# Altium PCB Allwinner_A13_BRD.PcbDoc (part 4 of 5)
Units mil, origin at the board's own origin, x right, y up, seen from the top; angles counter-clockwise.
Board outline 3937 x 2895 mil, 4 copper layers (Top Layer, power, gnd, Bottom Layer), stack 68.553 mil thick; 348 components, 338 nets, 1570 pads, 834 vias.
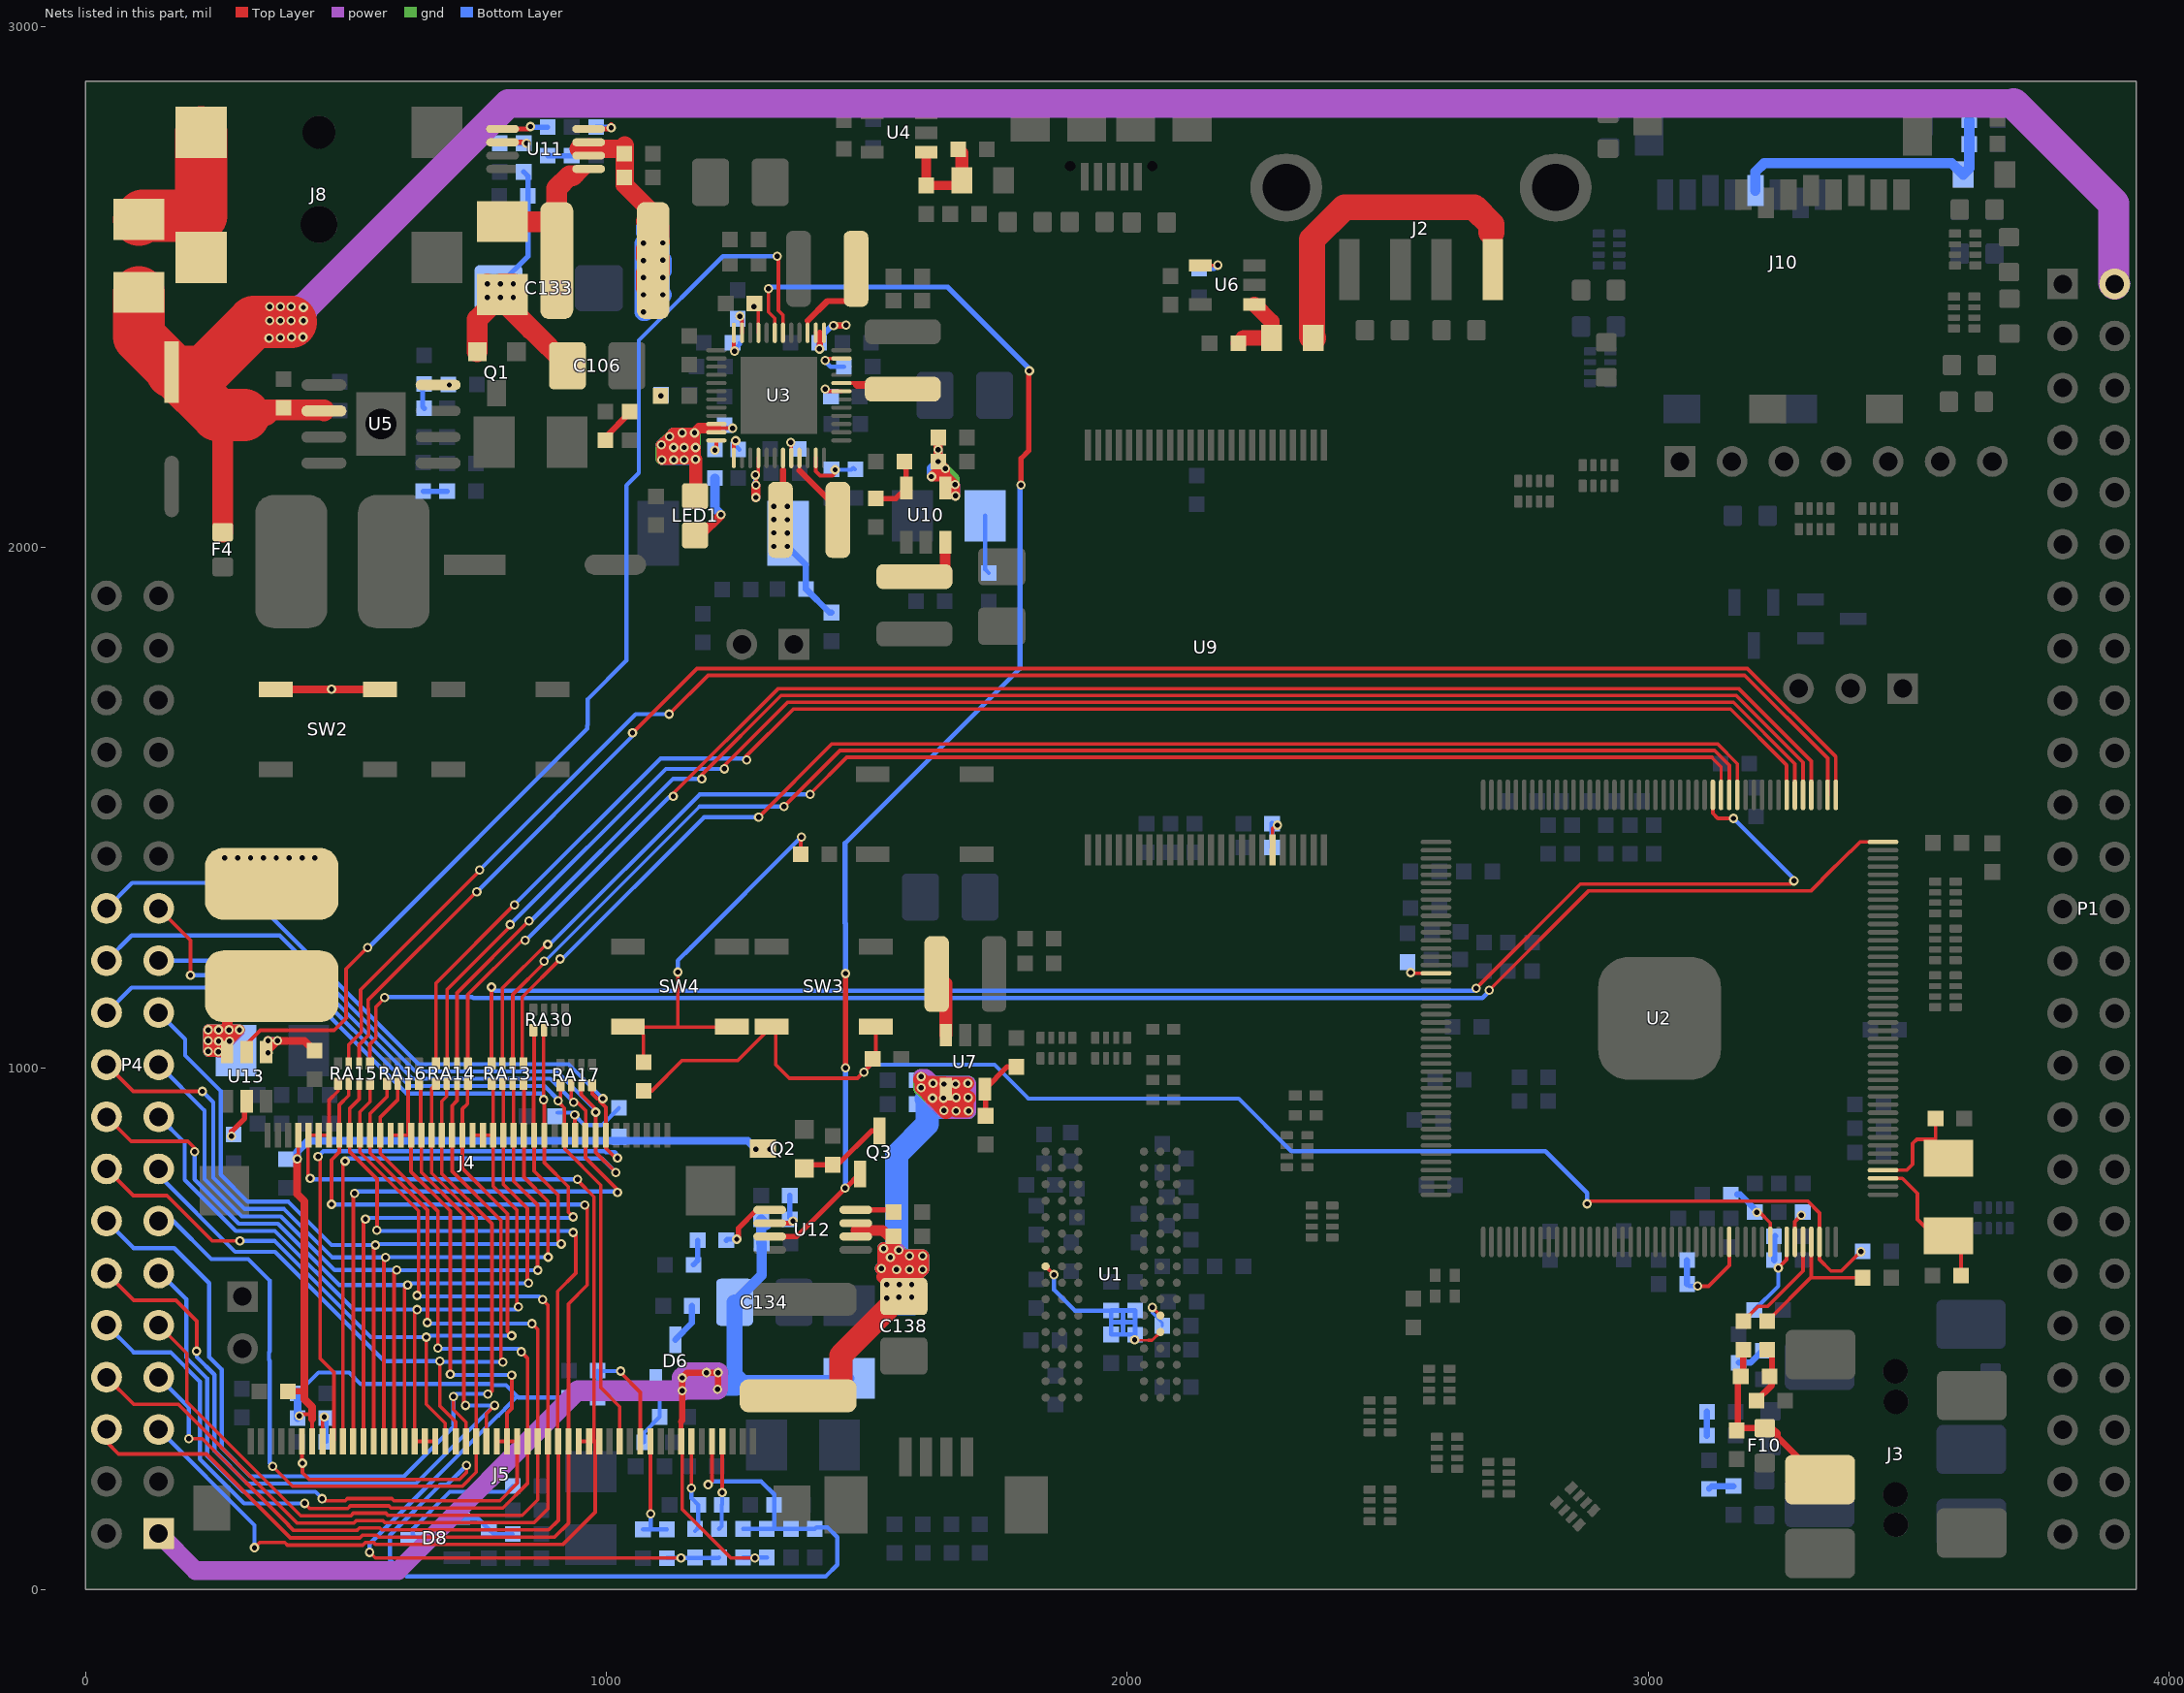
[diagram p6: the nets of this part, all layers, seen from the top]

## Via types
v1: diameter 18, hole 10, Top Layer to Bottom Layer, tented both sides, 765 vias
v2: diameter 18/18/18/18 (per signal layer), hole 10, Top Layer to Bottom Layer, tented both sides, 41 vias
v3: diameter 25.98, hole 15.75, Top Layer to Bottom Layer, 16 vias
v4: diameter 39.37, hole 19.68, Top Layer to Bottom Layer, tented both sides, 8 vias
v5: diameter 18, hole 10, Top Layer to Bottom Layer, 3 vias
v6: diameter 157.48, hole 118.11, Top Layer to Bottom Layer, tented both sides, 1 vias

## Nets (pads, with @x,y where several pads share a name; then routed paths per layer and width w, separated by ;. In a path a pad name is that pad's centre, name@x,y a point inside that pad or via, vN(x,y) a via of type N, cw(c..) or ccw(c..) an arc to the next point about the centre after c; other vN are vias at no path point) (continued)
IPSOUT: C4.2 C12.1 C23.1 C45.1 C67.2 C104.2 C105.2 C114.2 C115.2 C130.2 C131.2 C137.2 C138.1 C144.2 L7.1 L8.1 L9.1 LED1.A SW2.1 U3.7 U3.13 U3.14 U3.21 U3.34 U3.35 U3.40 U3.44 U7.4 U10.4 U11.6 U11.7 U12.6 U12.7 U13.1 | length 8828.7
  Top Layer w7: 1210.92,2229 v1@1237,2229 ; v1(1283,2462) 1282,2463 1282,2466 1291.63,2456.37 U3.21@1291.63,2412.08 ; v1(1287,2120) 1287,2140 1291.63,2144.63 U3.40@1291.63,2171.92 ; U3.44@1354.62,2171.92 v1@1354.62,2200.38 ; U3.14@1401.87,2412.08 1410,2412.08 U3.13@1417.61,2412.08 ; v1(1409,2381) v1@1410,2382 ; v1(1420,2304) 1420,2303 1423.13,2299.87 U3.7@1451.08,2299.87 ; U12.7@1478.68,701.32 U12.7@1478.68,702.8
  Top Layer w12: v1@1410,2382 1410,2412.08 ; v1(1436,2426) 1459,2426 v1(1460,2427)
  Top Layer w15: U13.1@346.4,1031.24 v1(368.16,1053) ; v1(350,1053) 350,1054.5 351.5,1053 v1(368.16,1053) ; SW2.1@365,1727.77 v1(472,1727.77) SW2.1@565,1727.77 ; C144.2@439,1034 420,1053 v1(368.16,1053) ; 946,2765 947,2766 965.68,2766 ; U11.6@965.68,2752.2 965.68,2765 965.68,2766 ; U11.7@965.68,2777.8 965.68,2766 ; U12.6@1478.68,677.2 1478.68,689 U12.7@1478.68,701.32 ; C137.2@1541.8,677.2 1551,668 1550,667 1550,654 1550,640 1550,637 1551,636 1557,630 1557,616 v1(1557,614) ; v1@1550,617 1550,616 1550,600 1550,597 1550,581.09 1551,580.09 1566.04,565.04 C138.1@1568,563.09
  Top Layer w18: v1(1287,2096) v1(1287,2120) ; C114.2@1637,2211 v1(1637,2188) v1(1637,2165) ; U10.4@1650.4,2113.97 1650.4,2139.6 ; v1(1637,2165) 1637,2149 v1(1624,2136) 1646.8,2136 1650.4,2139.6 ; v1(1637,2165) v1(1650.4,2151.6) 1650.4,2139.6 ; 1650.4,2139.6 v1(1669,2121) ; v1(1669,2121) 1669,2100 v1(1670,2099) 1670,2120 v1(1669,2121)
  Top Layer w20: v1(267,1404) 316.57,1354.43 L9.1@357,1354.43 ; L9.1@314,1403 335,1403 L9.1@336,1402 ; L9.1@386,1402 L9.1@413,1402 ; 1131,2206 1132,2207 1169,2207 ; v1(1149,2168) v1@1150,2169 ; 1158,2217 1155,2220 ; 1210.92,2229 1178,2229 v1(1169,2220) ; 1478.68,689 1530,689 C137.2@1541.8,677.2 ; v1@1652.1,918 v1(1671,918) ; v1(1105,2197) 1120,2197 ; v1(1105,2197) v1@1120,2212 ; v1(1105,2197) 1106,2196 v1(1106,2168) v1(1129,2168) 1130,2169 v1@1150,2169 ; 1120,2197 1120,2180 1122,2182 1168,2182 1168,2189 v1(1171,2192) ; 1120,2197 1124,2197 v1(1129,2192) v1(1149,2192) v1(1171,2192) ; 1120,2197 v1@1120,2212 ; v1@1120,2212 v1(1121,2213) 1128,2220 v1(1145,2220) 1155,2220 ; v1@1150,2169 v1(1171,2169) v1(1171,2192) ; 1155,2220 v1(1169,2220) ; 1169,2207 v1(1169,2220) ; 1169,2207 1169,2194 v1(1171,2192)
  Top Layer w25: LED1.A@1171,2113.5 v1(1171,2169) ; 1531,600 1550,600 1551,600 ; C138.1@1538,537 C138.1@1560,559 ; v1(1538,559) C138.1@1560,559 ; v1(1538,585) C138.1@1550,597 ; v1@1550,617 v1@1551,616 ; v1@1550,637 v1(1545,637) 1548,640 1550,640 v1@1551,640 ; 1550,654 v1(1532,654) 1532,620 v1(1528,616) 1550,616 v1@1551,616 ; C138.1@1551,580.09 1551,600 ; C137.2@1551,668 v1@1551,640 ; v1(1582,614) v1(1557,614) 1553,614 v1@1551,616 ; v1(1586,561) C138.1@1562,561 ; v1(1586,585) 1566.04,565.04 1563.09,562.09 C138.1@1562,561 ; v1@1604,978 v1(1604,963) v1@1624,943 ; v1(1627,971) v1(1694,971) 1683.03,960.03 ; v1(1648,919) 1649,918 v1@1652.1,918 ; v1(1671,918) 1693,918 1693,942.41 v1@1693.59,943 ; v1(1671,944) v1(1694.59,944) ; 1551,600 v1@1551,616 ; 1551,600 1593,600 v1(1607,614) ; v1@1551,616 1551,636 v1@1551,640 ; v1@1551,616 1557,616 1605,616 v1(1607,614) ; v1@1551,640 v1(1582,640) v1(1607,640) v1(1607,614) ; C138.1@1560,559 C138.1@1562,561
  Top Layer w30: v1@1604,978 1611,971 v1(1627,971) 1628,970 v1(1648,970) ; U7.4@1651.6,960.03 1683.03,960.03 ; v1@1652.1,918 1627.1,943 v1(1647,943) v1@1693.59,943
  Top Layer w35: 946,2765 965.68,2765 C131.2@1028,2765 ; 1035,2772 1035,2696 L7.1@1089.52,2641.48 ; L7.1@1074,2498 L7.1@1074,2528 ; L7.1@1074,2557 1074,2573.48 L7.1@1089.52,2589 ; L7.1@1074,2625.96 L7.1@1089.52,2641.48 ; L7.1@1076,2465 1089.52,2478.52 L7.1@1089.52,2551 L7.1@1089.52,2589 ; L7.1@1103,2614 1103,2588 L7.1@1104,2587 ; L7.1@1104,2527 L7.1@1104,2557 ; L7.1@1089.52,2589 L7.1@1089.52,2641.48
  Top Layer w45: L8.1@1430,368 1450,388 1450,449 C138.1@1538,537 ; C138.1@1563.09,562.09 C138.1@1571,562.09
  power w15: v1(350,1030) v1(350,1053)
  power w20: v1(267,1404) v1(291.71,1404) v1(316.43,1404) v1(341.14,1404) v1(365.86,1404) v1(390.57,1404) v1(415.29,1404) v1(440,1404) ; v1@336,1402 v1@360,1402 ; v1@413,1402 v1@440,1402
  power w25: v1(1538,559) 1559,559 v1(1561,561) ; v1(1538,585) v1(1562,585) ; v1(1545,637) 1548,640 v1(1582,640) v1(1607,640) v1(1607,614) 1605,616 v1@1530,616 ; v1(1557,614) 1532,614 v1@1530,616 ; v1(1561,651) 1558,654 v1(1532,654) 1532,620 v1@1529,617 ; v1(1604,963) 1606,963 v1(1626,943) v1(1647,943) 1693.59,943 v1(1694.59,944) ; v1@1529,617 v1(1528,616) v1@1530,616 ; v1@1529,617 v1@1530,616
  power w30: v1(1604,984) 1613,984 1626,971 v1(1627,971) v1@1671,971 ; v1(1626,943) 1626,941 v1(1648,919) 1649,918 v1(1671,918) v1(1695,918) ; v1(1670,970) v1@1671,971 ; v1(1694.59,944) 1694.59,918.41 v1(1695,918) ; v1@1671,971 v1(1694,971) 1695,970 v1(1695,918)
  gnd w12: v1(1436,2426) 1459,2426 v1(1460,2427)
  gnd w18: v1(1624,2136) 1639.6,2151.6 v1(1650.4,2151.6) ; v1(1637,2188) v1(1637,2165) v1(1650.4,2151.6) ; v1(1670,2099) 1669,2100 v1(1669,2121) 1669,2133 v1(1650.4,2151.6)
  gnd w20: v1(267,1404) v1(291.71,1404) v1(316.43,1404) v1(341.14,1404) v1(365.86,1404) v1(390.57,1404) v1(415.29,1404) v1(440,1404) ; v1(1071,2452) v1(1071,2485) v1(1071,2518) v1(1071,2551) v1(1071,2584) ; v1(1108,2485.17) v1(1108,2518.33) v1(1108,2551.5) v1(1108,2584.67) ; 1155,2206 1140.78,2206 v1@1129,2194.22 ; v1(1171,2169) v1@1170,2169 ; v1@1115.61,2207.61 v1@1129,2194.22 ; v1@1115.61,2207.61 v1(1105,2197) 1105,2169 v1(1106,2168) 1107,2169 v1@1170,2169 ; v1@1115.61,2207.61 v1(1121,2213) 1128,2220 v1(1145,2220) v1(1169,2220) 1171,2218 v1(1171,2192) ; v1@1129,2194.22 1121.22,2194.22 1117,2190 1117,2185 1121,2181 1170,2181 ; v1@1129,2194.22 v1(1129,2192) v1(1149,2192) v1(1171,2192) ; v1@1170,2169 1171,2170 1171,2181 ; v1@1170,2169 1170,2181 ; 1170,2181 1171,2181 ; 1170,2181 1170,2191 v1(1171,2192) ; 1171,2181 v1(1171,2192)
  gnd w25: 1566,627 1568,625 1593,625 v1(1582,614) 1575,607 1575,570 1574,571 1557,571 1562,576 v1(1562,585) 1557,590 v1(1557,614) 1557,625 v1(1545,637) v1@1532,650 ; v1@1532,650 v1(1532,654) 1535,651 v1(1561,651) 1572,640 v1(1582,640) v1(1607,640) v1(1607,614) 1586,593 v1(1586,585) v1(1586,561) v1(1561,561) 1540,561 v1(1538,559) v1(1538,585) 1538,606 v1(1528,616) 1532,620 v1@1532,650
  gnd w30: v1(1604,984) v1(1604,963) 1624,943 v1(1626,943) 1648,921 v1(1648,919) 1670,919 v1(1671,918) v1(1695,918) 1694.59,918.41 v1(1694.59,944) 1694.59,970.41 v1(1694,971) 1693,970 v1(1670,970) v1(1648,970) 1628,970 v1(1627,971) 1627,963 v1(1647,943) 1648,944 v1(1671,944)
  Bottom Layer w8: v1(1286,2139) 1286,2121 v1(1287,2120) v1(1287,2096)
  Bottom Layer w12: C45.1@1408,2393 1408,2401 1433,2426 v1(1436,2426)
  Bottom Layer w15: v1(350,1030) v1(350,1053) v1(368.16,1053)
  Bottom Layer w18: v1(1637,2188) v1(1637,2165) ; v1(1670,2099) 1670,2120 v1(1669,2121) 1650.4,2139.6 ; v1(1637,2165) 1624,2152 v1(1624,2136) 1639,2151 ; v1(1637,2165) 1637,2153 1639,2151 ; 1639,2151 1650.4,2139.6 ; 1639,2151 1639.6,2151.6 v1(1650.4,2151.6) 1650.4,2139.6
  Bottom Layer w20: v1(267,1404) v1(291.71,1404) v1@313,1404 ; v1(316.43,1404) v1(341.14,1404) v1(365.86,1404) v1(390.57,1404) v1(415.29,1404) v1(440,1404) ; 1116,2181 1171,2181 ; 1155,2205 1154,2204 1128,2204 1128,2206 v1(1121,2213) ; v1(1105,2197) 1105,2169 v1(1106,2168) v1(1129,2168) v1(1149,2168) 1170,2168 v1(1171,2169) 1171,2181 ; v1(1105,2197) v1(1121,2213) ; v1(1105,2197) 1110,2192 v1(1129,2192) v1(1149,2192) v1(1171,2192) ; v1(1121,2213) 1128,2220 v1(1145,2220) v1(1169,2220) 1169,2194 v1(1171,2192) ; 1171,2181 v1(1171,2192)
  Bottom Layer w25: v1(1557,614) 1561,610 v1(1561,561) ; 1561,538 1590,538 ; v1(1562,585) v1@1582,585 ; v1(1582,640) 1572,640 v1(1561,651) ; v1(1586,585) v1@1582,585 ; v1(1528,616) v1@1532,620 ; v1(1528,616) 1538,606 v1(1538,585) v1(1538,559) 1540,561 v1(1561,561) ; v1(1528,616) 1557,616 1605,616 v1(1607,614) ; v1@1532,620 v1@1545,633 ; v1@1532,620 v1(1532,654) v1@1535,651 ; v1@1535,651 1545,641 v1(1545,637) ; v1@1535,651 1557,651 v1(1561,651) ; v1@1545,633 v1(1545,637) ; v1@1545,633 v1@1549,637 ; v1(1545,637) v1@1549,637 ; v1@1549,637 1557,637 1604,637 v1(1607,640) v1(1607,614) ; v1@1549,637 1557,645 1561,649 v1(1561,651) ; v1(1561,561) v1(1586,561) 1582,565 v1@1582,585 ; v1@1582,585 v1(1582,614) v1(1607,614)
  Bottom Layer w30: v1(1604,963) 1612,971 v1(1627,971) ; v1(1647,943) 1648,944 v1(1671,944) ; v1(1648,970) v1(1670,970) ; v1(1627,971) 1627,950 1616,939 1637,918 v1(1671,918) v1(1695,918) 1694,919 v1(1694,971) v1(1627,971)
  Bottom Layer w35: v1(1071,2584) v1(1071,2551) v1(1071,2518) v1(1071,2485) v1(1071,2452) 1074.83,2452 v1(1108,2485.17) ; 1074,2465 1074,2496 ; 1074,2498 1076,2496 ; 1074,2528 v1@1074,2557 ; 1074,2615 1074,2604.52 1089.52,2589 ; 1104,2499 1104,2527 1108,2531 v1(1108,2551.5) ; v1@1104,2557 v1@1104,2587
  Bottom Layer w45: v1(1557,614) 1557,616 1557,637 1557,645 1557,651 1557,834 1616,893 1616,939 1614,941
  other v1: 1354,2202 1242,2229
LCD4_STBY: C120.1 J4.31 R44.2 | length 183.4
  Top Layer w7: v1(939,911) 939,872.31 J4.31@939.69,871.62
  Bottom Layer w8: C120.1@906,915 936,915 v1@939,912 ; v1(939,911) v1@939,912 ; R44.2@1024,924 991,891 958,891 939,910 v1@939,912
LCD_AVDD: C134.1 C139.2 D4.K D6.1 J5.43 P4.1 R59.1 R60.1 R69.2 | length 2713.5
  Top Layer w6: 1145.17,153.83 J5.43@1145.17,282.29
  Top Layer w7: J5.43@1143.49,283.98 J5.43@1145.17,282.29 ; 1145.17,153.83 1239,60 v1(1285,60)
  Top Layer w10: 1143,322 1143,284.46 J5.43@1143.49,283.98
  Top Layer w12: 1143,322 1145,324 v1(1145,381) v1(1145,406) 1155,416 v1(1192,416) v1(1214,416) 1214,385 v1(1213,384)
  power w36: P4.1@140,107 211,36 600,36 945,381
  power w40: 945,381 v1(1145,381) ; v1(1145,381) 1148,384 v1(1213,384) 1213,415 v1(1214,416) v1(1192,416) 1155,416 v1(1145,406) v1(1145,381)
  Bottom Layer w8: v1(1285,60) 1263,60 R60.1@1262,61 R59.1@1308,61
  Bottom Layer w15: v1(1145,406) v1(1145,381) 1159.66,395.66 D6.1@1169.4,395.66 ; v1(1192,416) v1(1214,416)
  Bottom Layer w20: 1245.91,398.75 1248,396.66 ; C134.1@1245.91,551 1298,603.09 C139.2@1298,664 1297,665 R69.2@1297,710 R69.2@1306.91,700.09 ; D4.K@1459.96,398.75 D4.K@1466,404.79
  Bottom Layer w25: 1245.91,398.75 D4.K@1459.96,398.75
  Bottom Layer w30: 1245.91,398.75 C134.1@1245.91,551
  Bottom Layer w50: D6.1@1169.4,396.66 1248,396.66
LCD_B2: J4.21 J4.22 J4.23 J5.17 J5.18 J5.19 P4.17 RA13.1 | length 1666.4
  Top Layer w7: v1(636,537) 631.68,532.68 J5.17@631.68,283.98 J5.18@651.36,283.98 J5.19@671.05,283.98 ; J4.21@742.84,871.62 J4.22@762.53,871.62 J4.23@782.21,871.62 ; RA13.1@781.49,970.31 782.21,969.59 J4.23@782.21,871.62 ; v1(831,542) 828,545 828,728 782.21,773.79 J4.23@782.21,871.62
  Bottom Layer w8: P4.17@140,907 190,857 190,786 288,688 363.18,688 514.18,537 v1(636,537) ; v1@641,537.1 828,537.1 828,539 v1(831,542)
LCD_B3: J4.24 J5.16 P4.18 RA13.2 | length 1687
  Top Layer w7: P4.18@40,907 87,860 196,860 210,846 209,845 v1(209,840) ; J5.16@611.99,283.98 611.99,577.99 v1(618,584) ; RA13.2@802.16,969.31 801.9,969.05 J4.24@801.9,871.62 801.9,777 847.9,731 847.9,590.1 v1(850,588)
  Bottom Layer w8: v1@209,845 v1(209,840) 209,786.8 293.8,702 368.98,702 486.98,584 v1(618,584) ; v1@620,587.42 846,587.42 846.58,588 v1(850,588)
LCD_B4: J4.25 J5.15 P4.19 RA13.3 | length 1676.6
  Top Layer w7: J5.15@592.31,283.98 592,284.28 592,608 v1(597,613) ; RA13.3@821.84,970.31 821.58,970.05 J4.25@821.58,871.62 821.58,784 867.58,738 867.58,613 v1(868,612.58)
  Bottom Layer w8: P4.19@140,1007 228,919 228,787.6 299.6,716 374.78,716 477.78,613 v1(597,613) 597.42,612.58 v1(868,612.58)
LCD_B5: J4.26 J5.14 P4.20 RA13.4 | length 1793.1
  Top Layer w7: P4.20@40,1007 91,956 v1(224,956) ; J5.14@572.62,283.98 572.62,633.62 v1(576,637) ; RA13.4@842.51,970.31 841.27,969.07 J4.26@841.27,871.62 841.27,791 887.27,745 887.27,638.47 v1(888,637.74)
  Bottom Layer w8: v1(224,956) 245,935 245,790.4 305.4,730 380.58,730 473.58,637 v1(576,637) 576.74,637.74 v1(888,637.74)
LCD_B6: J4.27 J5.13 P4.21 RA30.5 | length 1882.1
  Top Layer w7: J5.13@552.94,283.98 553,284.04 553,658 v1(556,661) ; RA30.5@860.49,1073.31 860.95,1072.85 860.95,948.82 860,947.87 860,872.57 J4.27@860.95,871.62 860.95,803 906.95,757 906.95,668.94 v1(913,662.89)
  Bottom Layer w8: P4.21@140,1107 191,1056 191,1025 259,957 259,796.2 311.2,744 389,744 472,661 v1(556,661) 557.89,662.89 v1(913,662.89)
LCD_B7: J4.28 J5.12 P4.22 RA30.6 | length 2158.4
  Top Layer w7: J5.12@533.25,283.98 533.25,707.25 v1(537,711) ; RA30.6@881.16,1073.31 879,1071.16 v1(879,940) 879.64,940 880.64,941 J4.28@880.64,871.62 880.64,819 926.64,773 926.64,724.36 v1(936,715)
  Bottom Layer w8: P4.22@40,1107 88,1155 412.8,1155 615.8,952 875,952 879,948 v1(879,940) ; v1@544,713.21 v1@936,713.21
LCD_BL_EN: U3.18 U13.2 | length 2248.9
  Top Layer w7: U13.2@309,1031.24 310,1032.24 310,1048 335,1073 477,1073 501,1097 500,1098 500,1191 v1(541,1232) ; v1(1328,2559) 1330,2559 1330,2455 1338.87,2446.13 U3.18@1338.87,2412.08
  Bottom Layer w8: v1(541,1232) 543,1232 963,1652 963,1658 964,1659 964,1709 1038,1783 1038,2119 1062,2143 1062,2397.64 1223.36,2559 v1(1328,2559)
LCD_CLK: J4.30 J5.37 P4.25 RA17.1 | length 1700.2
  Top Layer w7: P4.25@140,1307 201,1246 v1(201,1179) ; v1(907,938) 907,936 v1@911.49,931.51 ; RA17.1@911.49,967.31 v1@911.49,931.51 ; J5.37@1025.38,283.98 1025.38,350.62 989,387 989,776 920,845 J4.30@920.01,871.62 919,872.63 919,924 v1@911.49,931.51
  Bottom Layer w8: v1(201,1179) 408.6,1179 621.6,966 880.8,966 908,938.8 907,937.8 v1(907,938)
LCD_DE: J4.34 J5.9 P4.26 RA17.4 | length 2458.1
  Top Layer w7: v1(446,831) 450,827 450,443 476.5,416.5 476.5,286.28 J5.9@474.2,283.98 ; RA17.4@972.51,967.31 972.51,951.49 982,942 v1(993,942) ; v1@987.5,936.5 998.75,925.25 J4.34@998.75,871.62 998.75,846.71 1017.46,828 v1(1021,828)
  Bottom Layer w8: P4.26@40,1307 89,1356 291,1356 639,1008 927,1008 v1(993,942) ; v1(446,831) 456,841 996.8,841 998.8,839 1016,839 1021,834 v1(1021,828)
LCD_DITHB: J5.47 R49.2 R57.1 | length 178.1
  Top Layer w7: v1(1222,186) 1222,182.45 1222.23,182.23 J5.47@1222.23,283.98
  Bottom Layer w8: R49.2@1216,115.97 1221,120.97 R57.1@1221,162 1222,163 v1(1222,186)
LCD_G10: J4.13 J4.14 J4.15 J5.25 J5.26 J5.27 P4.11 RA16.3 | length 2040.4
  Top Layer w7: v1(454,174) 458,170 498.34,170 502.34,174 587.66,174 591.66,170 795.2,170 828.53,203.32 J5.27@828.53,283.98 J5.26@808.84,283.98 ; J4.13@585.36,871.62 J4.14@605.05,871.62 J4.15@624.73,871.62 ; RA16.3@618.84,970 618.84,877.51 J4.15@624.73,871.62 ; v1(700,413) 700,726.46 624.73,801.73 J4.15@624.73,871.62 ; J5.25@789.16,283.98 J5.26@808.84,283.98 ; v1(818,411) 818,347 808.84,337.84 J5.26@808.84,283.98
  Bottom Layer w8: P4.11@140,607 143,607 193,557 193,445 233,405 233,256 302,187 441,187 v1(454,174) ; v1@700,411.32 v1@820,411.32
LCD_G11: J4.16 J5.24 P4.12 RA16.4 | length 1887.5
  Top Layer w7: P4.12@40,607 92,555 173,555 213,515 v1(213,457) ; RA16.4@643,973 643,873.04 J4.16@644.42,871.62 644.42,800.43 726,718.85 726,356 v1(729,353) ; J5.24@769.47,283.98 769.47,337.47 v1(785,353)
  Bottom Layer w8: v1(213,457) 213,446 247,412 247,266 310,203 634,203 784,353 v1(785,353) v1(729,353)
LCD_G12: J4.17 J5.23 P4.13 RA14.1 | length 1825.6
  Top Layer w7: v1(359,236) 397,198 723,198 749.79,224.79 J5.23@749.79,283.98 749.79,713.44 664.1,799.13 J4.17@664.1,871.62 664.1,961.93 RA14.1@672.49,970.31
  power w8: v1@359,233 v1(359,236)
  Bottom Layer w8: P4.13@140,707 168,707 241,634 312,634 353,593 353,456.87 352,455.87 352,440.13 353,439.13 353,242 v1(359,236)
LCD_G13: J4.18 J5.22 P4.14 RA14.2 | length 1946.8
  Top Layer w7: RA14.2@693.16,970.31 693,970.16 693,946 683.79,936.79 J4.18@683.79,871.62 683.79,797.83 780,701.62 780,381 774,375 v1(772,375) ; v1(706,370) 706,345 730.1,320.9 J5.22@730.1,283.98
  Bottom Layer w8: P4.14@40,707 92,655 170,655 237,588 237,446 261,422 261,271.8 315.8,217 611,217 708,314 706,316 v1(706,370) 711,375 v1(772,375)
LCD_G14: J4.19 J5.21 P4.15 RA14.3 | length 1567.2
  Top Layer w7: v1(680,438) 680,352 710.42,321.58 J5.21@710.42,283.98 ; RA14.3@712.84,970.31 713,970.16 713,938 703.47,928.47 J4.19@703.47,871.62 703.47,802.53 797,709 797,440 v1(801,436)
  Bottom Layer w8: P4.15@140,807 140,795 287,648 363.59,648 573.59,438 v1(680,438) ; v1@681,436.47 v1@803,436.47